# Altium PCB PCB1.PcbDoc
Units mil, origin at the board's own origin, x right, y up, seen from the top; angles counter-clockwise.
Board outline 3108.8 x 2122.15 mil, 2 copper layers (Top Layer, Bottom Layer); 69 components, 68 nets, 332 pads, 63 vias.
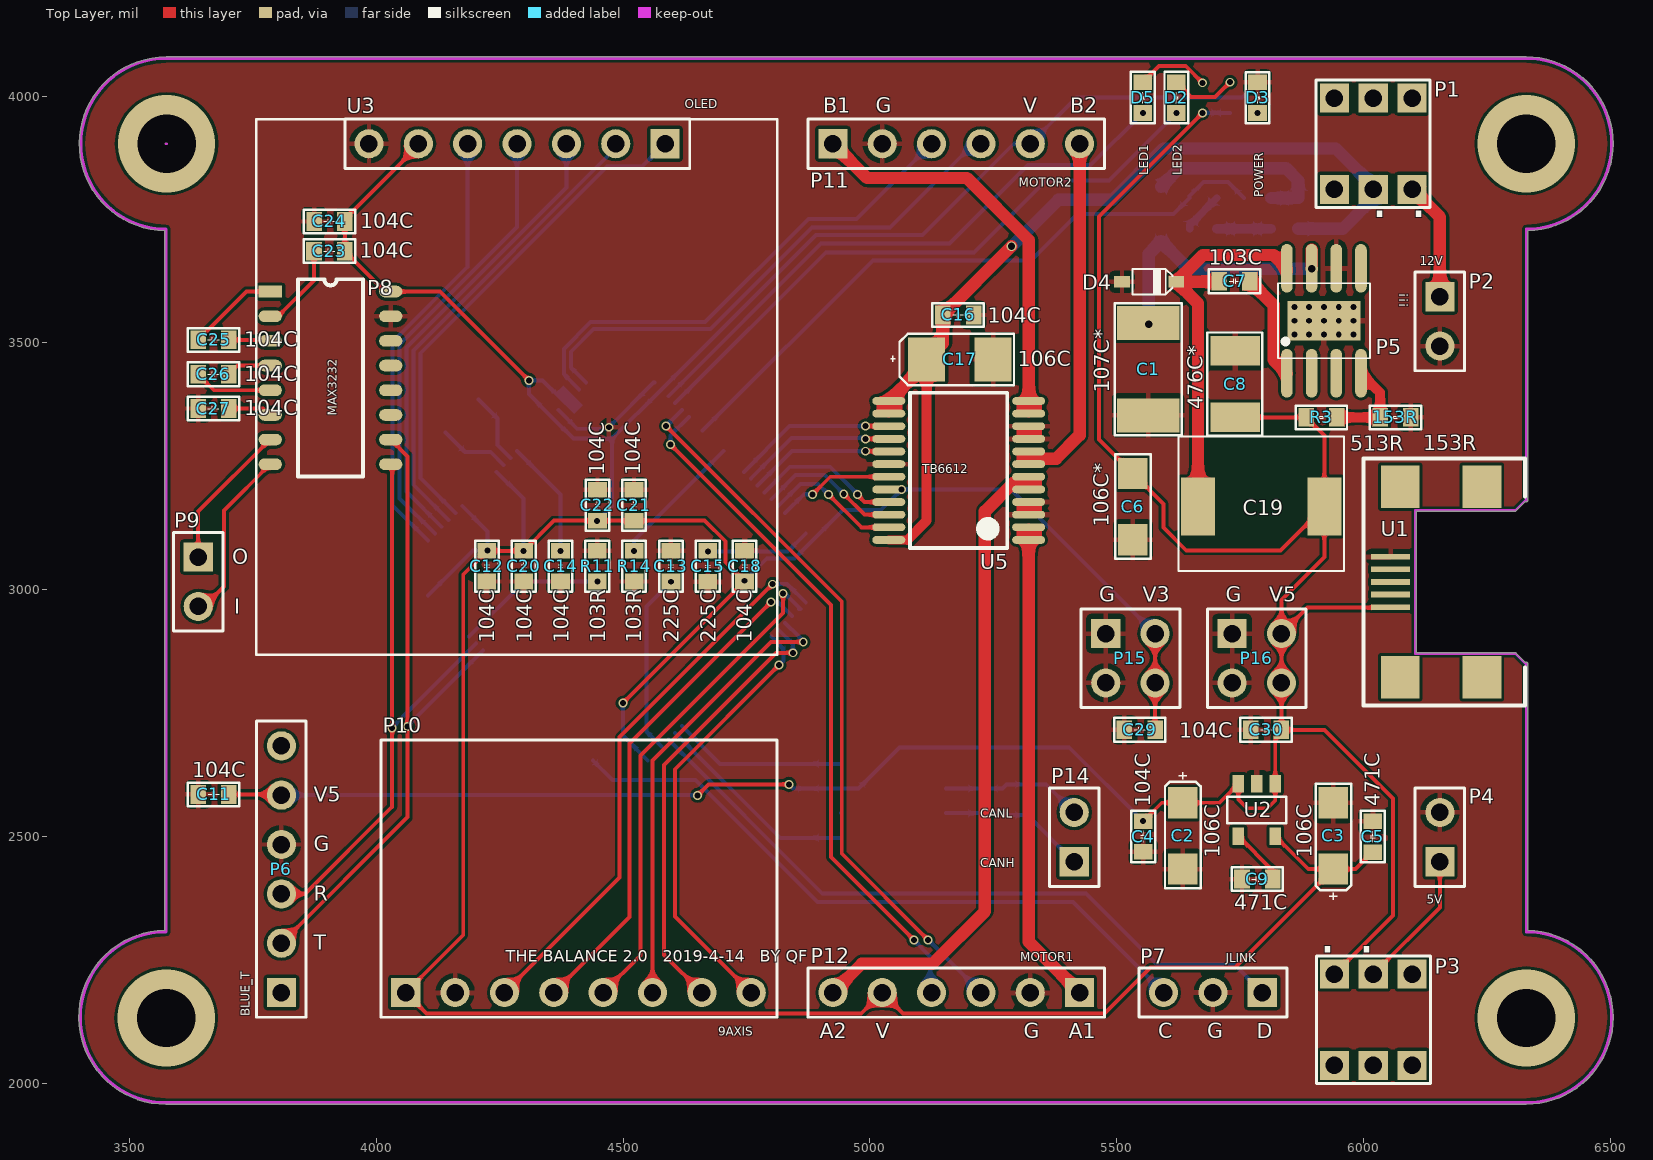
[diagram p0: Top Layer view]
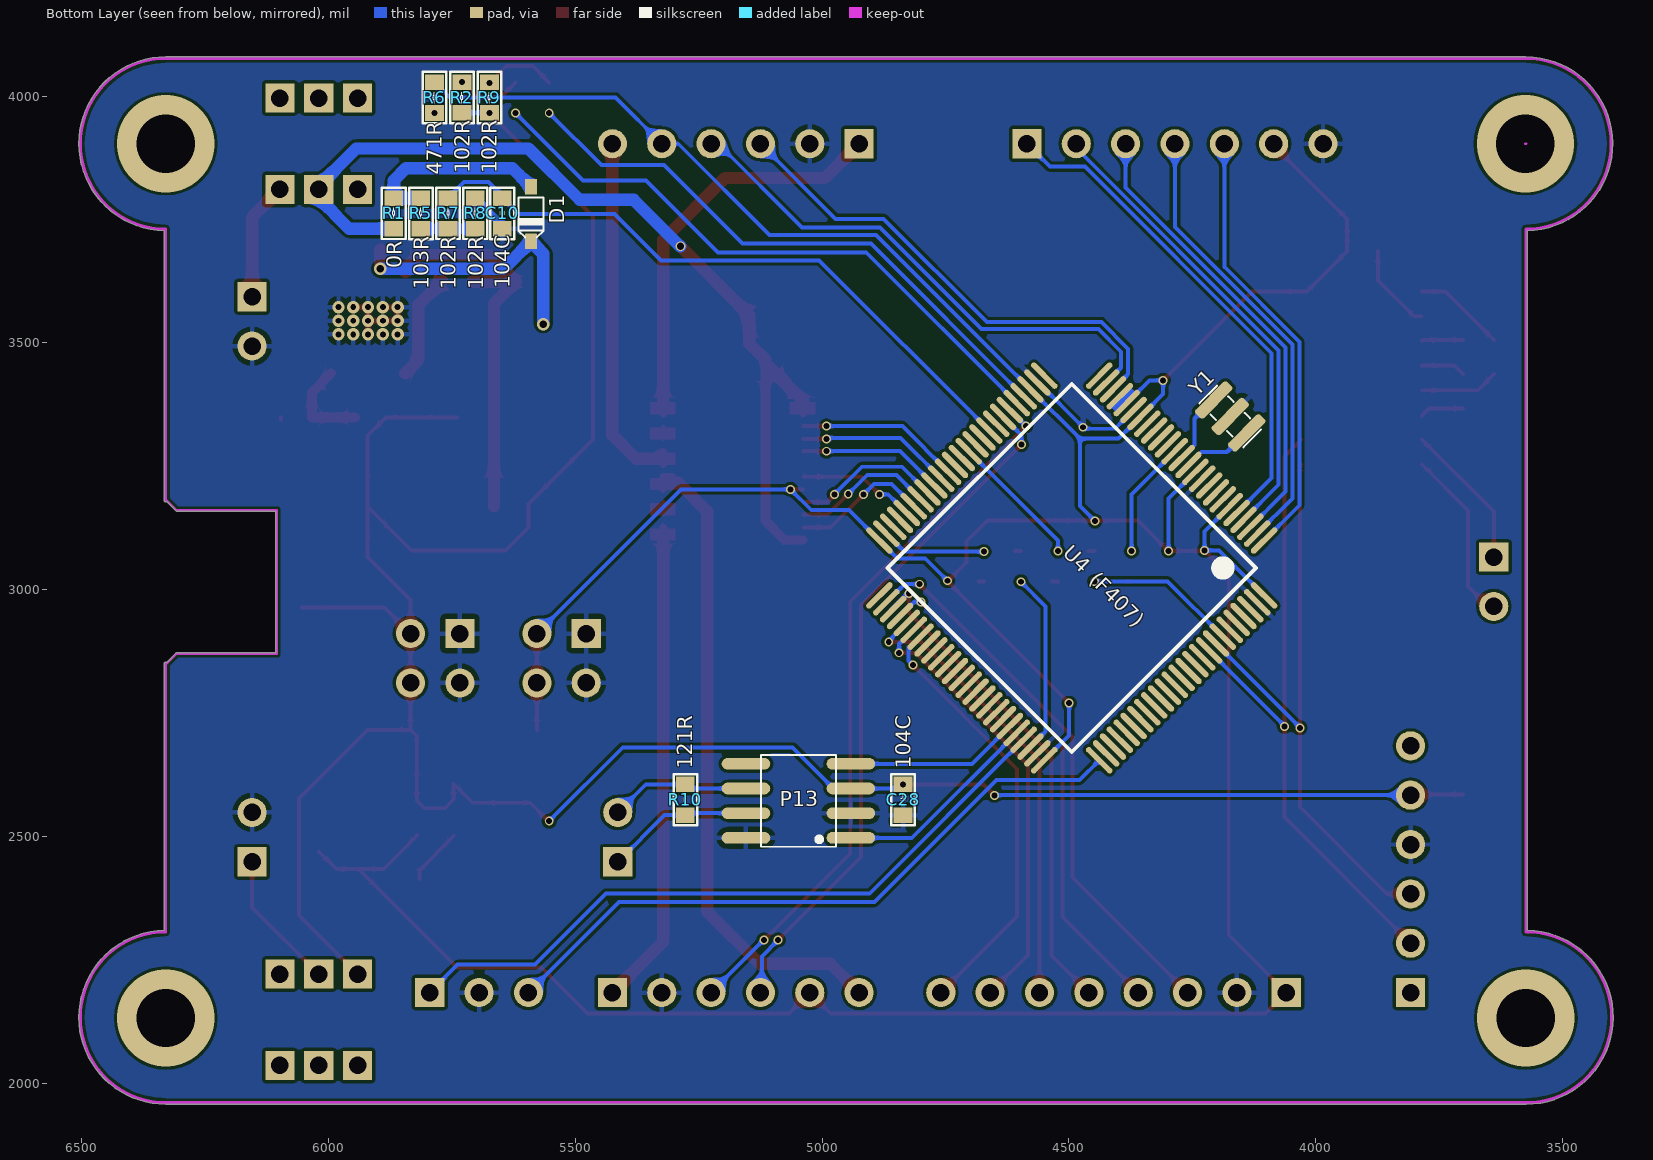
[diagram p1: Bottom Layer view, seen from below]

## Layer stack, top to bottom
Top Solder: solder mask 0.4, Solder Resist, Dk 3.5
Top Layer: signal copper 1.4
Dielectric 1: dielectric 12.6, FR-4, Dk 4.8
Bottom Layer: signal copper 1.4
Bottom Solder: solder mask 0.4, Solder Resist, Dk 3.5

## Board outline
3573.19,1957.35 cw(c3573.19,2133.35) 3571.08,2309.33 3571.08,3727.53 cw(c3574.09,3903.5) 3574.09,4079.5 6330,4079.5 cw(c6330,3903.5) 6506,3903.5 cw(c6330,3903.5) 6333.02,3727.53 6333.02,3180.94 cw(c6330,3180.94) 6328.14,3178.57 6309.43,3159.86 6309.44,3159.87 cw(c6308.02,3161.26) 6308.02,3159.28 6106.94,3159.28 6106.94,2871.9 6308.02,2871.9 cw(c6308.02,2869.92) 6309.44,2871.31 6309.43,2871.32 6328.14,2852.61 cw(c6330,2850.24) 6333.02,2850.24 6333.02,2309.32 cw(c6330,2133.35) 6506,2133.35 cw(c6330,2133.35) 6330,1957.35 cw(c6330,1960.37) 6329.55,1957.38 cw(c6329.09,1960.37) 6329.09,1957.35

## Design rules (kind name [scope] priority, off if disabled: settings)
Clearance [All] p1: gap=6 ignorepadtopadclearanceinfootprint=FALSE
HoleSize [All] p1: absolutevalues=TRUE maxlimit=200 minlimit=1 maxpercent=80.000 minpercent=20.000
MinimumSolderMaskSliver [All] p1: minsoldermaskwidth=0
PolygonConnect [All] p1: connectstyle=Relief reliefconductorwidth=10 reliefentries=4 polygonreliefangle="90 Angle" airgapwidth=10
RoutingVias [All] p1: holewidth=12 width=18 viastyle="Through Hole" minholewidth=10 minwidth=18 maxholewidth=28 maxwidth=50
SilkToSilkClearance [All] p1: silktosilkclearance=0
SilkToSolderMaskClearance [IsPad] p1: minsilkscreentomaskgap=0 clearancetoexposedcopper=TRUE
SolderMaskExpansion [All] p1: expansion=4
Width [All] p1: maxlimit=30 minlimit=6 preferedwidth=8
26 further rules are at their usual default settings.

## Components (designator, comment, footprint, x,y, rotation, side; value= is the part's Value field where it differs from the comment)
153R "Res" "Res 0603" 6096,3349 r180 top value=15K (schematic designator R4)
C1 "Cap Semi" "Cap 1812" 5564,3353 r90 top value=107/35V
C2 "Cap-AVX" "AVX A-CASE 1206" 5634,2568.15 r270 top value=106
C3 "Cap-AVX" "AVX A-CASE 1206" 5939,2433.5 r90 top value=106
C4 "Cap Semi" "Cap 0603" 5554,2468.5 r90 top value=104
C5 "Cap Semi" "Cap 0603" 6019,2530.5 r270 top value=471
C6 "Cap Semi" "CAP 1206" 5533,3101 r90 top value=10uF/16V
C7 "Cap Semi" "Cap 0603" 5707.8,3625 r0 top value=103/50V
C8 "Cap Semi" "Cap 1210" 5740,3349 r90 top value=47uF/16V
C9 "Cap Semi" "Cap 0603" 5754,2413.5 r0 top value=471
C10 "Cap Semi" "Cap 0603" 5648,3731.3 r90 bottom value=104/50v
C11 "Cap Semi" "Cap 0603" 3639,2585 r0 top value=104
C12 "Cap Semi" "Cap 0603" 4224,3016.5 r90 top value=104
C13 "Cap Semi" "Cap 0603" 4596.86,3016.5 r90 top value=225
C14 "Cap Semi" "Cap 0603" 4373.14,3016.5 r90 top value=104
C15 "Cap Semi" "Cap 0603" 4671.43,3078.5 r270 top value=225
C16 "Cap Semi" "Cap 0603" 5147.8,3556.5 r0 top value=104
C17 "Cap-AVX" "AVX B-CASE 3528" 5115,3466.5 r0 top value=106
C18 "Cap Semi" "Cap 0603" 4746,3016.5 r90 top value=104
C19 "CD54" "CD54 7*7" 5665,3168.5 r0 top value=22uH/2A
C20 "Cap Semi" "Cap 0603" 4298.57,3016.5 r90 top value=104
C21 "Cap Semi" "Cap 0603" 4522,3202 r270 top value=104
C22 "Cap Semi" "Cap 0603" 4448,3202 r270 top value=104
C23 "Cap Semi" "Cap 0603" 3935.8,3686 r180 top value=104
C24 "Cap Semi" "Cap 0603" 3873.8,3746 r0 top value=104
C25 "Cap Semi" "Cap 0603" 3701.2,3506 r180 top value=104
C26 "Cap Semi" "Cap 0603" 3701,3436.5 r180 top value=104
C27 "Cap Semi" "Cap 0603" 3701,3367 r180 top value=104
C28 "Cap Semi" "Cap 0603" 4836,2605.2 r270 bottom value=104
C29 "Cap Semi" "Cap 0603" 5515.8,2716 r0 top value=104
C30 "Cap Semi" "Cap 0603" 5771.8,2716 r0 top value=104
D1 "IN5819" SOD-323 5590,3761 r270 bottom
D2 "LED" "led 0603 B" 5621,4028 r270 top
D3 "LED" "led 0603 B" 5785.5,3965.8 r90 top
D4 "IN5819" SOD-323 5566,3624 r0 top
D5 "LED" "led 0603 B" 5553,4028 r270 top
P1 "SWITCH" SWITCH(S) 6020,3903.5 r90 top
P2 "1×2P" 1×2P 6155,3593.5 r0 top
P3 "SWITCH" SWITCH(S) 6020,2128.5 r270 top
P4 "1×2P" 1×2P 6155,2448.5 r180 top
P5 "TPS5430" TPS5430 5920,3544.8 r90 top
P6 "BLUE_TOOTH" 1×6P 3807.5,2183.5 r180 top
P7 "Jlink" 1×3P 5795,2183.5 r270 top
P8 "MAX3232" SOP-16 3785,3604 r0 top
P9 "1×2P" 1×2P 3639,3066 r0 top
P10 "1×8P" 1×8P_SG 4059.5,2183.5 r90 top
P11 "1×6P" 1×6P 4925,3903.5 r90 top
P12 "1×6P" 1×6P 5425,2183.5 r270 top
P13 "CAN" SOP8 5048,2572 r0 bottom
P14 "1×2P" 1×2P 5414,2448.5 r180 top
P15 "2×2P" 2×2P 5478,2911 r0 top
P16 "2×2P" 2×2P 5734,2911 r0 top
R1 "Res" "Res 0603" 5868,3793.5 r270 bottom value=0R
R2 "Res" "Res 0603" 5729.75,3966 r90 bottom value=102
R3 "Res" "Res 0603" 5883.8,3349 r0 top value=51K
R5 "Res" "Res 0603" 5813,3731.3 r90 bottom value=103
R6 "Res" "Res 0603" 5785.5,4028 r270 bottom value=471
R7 "Res" "Res 0603" 5758,3793.5 r270 bottom value=102
R8 "Res" "Res 0603" 5703,3793.5 r270 bottom value=102
R9 "Res" "Res 0603" 5674,3966 r90 bottom value=102
R10 "Res" "Res 0603" 5277,2605.2 r270 bottom value=121
R11 "Res" "Res 0603" 4447.71,3016.5 r90 top value=103
R14 "Res" "Res 0603" 4522.29,3016.5 r90 top value=103
U1 "Micro_USB_A" Micro_USB_A 6058.9,2964.41 r270 top
U2 "MIC5219-3.3" MIC5219-3.3 5784,2553.5 r180 top
U3 "OLED" "OLED(0.96) IIC" 4585,3903.5 r0 top
U4 "STM32F103VE/407VE_100" LQFP100 4494.18,3043.91 r315 bottom
U5 "TB6612FNG" SSOP-24N 5180,3241.5 r180 top
Y1 "XTAL-3" "XTAL 3.2x1.3" 4173,3351 r45 bottom value=8M

## Footprints (in the part's own frame and the unit in brackets; to place one, negate y for a bottom-side part, rotate by r counter-clockwise, add the part's x,y. Pads: shape width x height; smd on the part's side, far side on the other; paste and mask are expansions set on the pad)
1×2P [mm]
  rect 1.5x1.5 hole 0.9: 1(0,0)
  round 1.5 hole 0.9: 2(0,-2.54)
  silkscreen extent -1.27,-3.81 1.27,1.27, body extent -1.27,-3.81 1.27,1.27, height 7.11
1×3P [mm]
  rect 1.5x1.5 hole 0.9: 1(0,0)
  round 1.5 hole 0.9: 2(0,-2.54) 3(0,-5.08)
  silkscreen extent -1.27,-6.35 1.25,1.27, body extent -1.27,-6.35 1.27,1.27, height 8.54
1×6P [mm]
  rect 1.5x1.5 hole 0.9: 1(0,0)
  round 1.5 hole 0.9: 2(0,-2.54) 3(0,-5.08) 4(0,-7.62) 5(0,-10.16) 6(0,-12.7)
  silkscreen extent -1.27,-13.97 1.27,1.27, body extent -1.27,-13.97 1.27,1.27, height 8.54
1×8P_SG [mm]
  rect 1.5x1.5 hole 0.9: 1(0,0)
  round 1.5 hole 0.9: 2(0,-2.54) 3(0,-5.08) 4(0,-7.62) 5(0,-10.16) 6(0,-12.7) 7(0,-15.24) 8(0,-17.78)
  silkscreen extent -1.27,-19.1 13,1.27, body extent -1.25,-19.05 1.25,1.27, height 8.4
2×2P [mm]
  rect 1.5x1.5 hole 0.9: 1(0,0)
  round 1.5 hole 0.9: 2(0,-2.54) 3(2.54,-2.54) 4(2.54,0)
  silkscreen extent -1.27,-3.81 3.81,1.27, body extent -1.27,-3.81 3.73,1.27, height 8.4
"AVX A-CASE 1206" [mm]
  rect 1.6x1.52 smd: 1(0,0) 2(3.42,0)
  silkscreen extent -1.57,-0.91 4.39,0.91, body extent 0,-0.84 3.4,0.84, height 1.71
"AVX B-CASE 3528" [mm]
  rect 1.9x2.28 smd: 1(0,0) 2(3.42,0)
  silkscreen extent -1.84,-1.32 4.5,1.32, body extent -0.15,-1.46 3.55,1.47, height 2.03
"Cap 0603" [mm]
  rect 0.8x0.96 smd: 1(0,0) 2(1.58,0)
  silkscreen extent -0.53,-0.61 2.11,0.61, body extent -0.01,-0.4 1.59,0.4, height 0.9
"CAP 1206" [mm]
  rect 1.6x1.52 smd: 1(0,0) 2(3.42,0)
  silkscreen extent -0.97,-0.91 4.39,0.91, body extent 0.1,-0.85 3.3,0.85, height 1.72
"Cap 1210" [mm]
  rect 1.52x2.54 smd: 1(0,0) 2(3.42,0)
  silkscreen extent -0.94,-1.4 4.37,1.42, body extent 0.1,-1.25 3.3,1.25, height 1.3
"Cap 1812" [mm]
  rect 1.75x3.2 smd: 1(0,0) 2(4.75,0)
  silkscreen extent -1.02,-1.73 5.77,1.73, body extent 0.09,-1.6 4.69,1.6, height 2.6
"CD54 7*7" [mm]
  rect 1.75x3 smd: 1(0,0) 2(6.5,0)
  silkscreen extent -1.02,-3.33 7.52,3.61, body extent 0.29,-2.61 6.21,2.59, height 4.5
"led 0603 B" [mm]
  rect 0.8x0.96 smd: 1(0,0) 2(1.58,0)
  silkscreen extent -0.53,-0.61 2.11,0.61, body extent -0.01,-0.4 1.59,0.4, height 0.6
LQFP100 [mm] "Thin QFP, 100-Leads, Body 14x14mm, Pitch 0.5mm, IPC Low Density"
  oval 1.8x0.3 smd: 1(-8,6) 2(-8,5.5) 3(-8,5) 4(-8,4.5) 5(-8,4) 6(-8,3.5) 7(-8,3) 8(-8,2.5) 9(-8,2) 10(-8,1.5) 11(-8,1) 12(-8,0.5) 13(-8,0) 14(-8,-0.5) 15(-8,-1) 16(-8,-1.5) 17(-8,-2) 18(-8,-2.5) 19(-8,-3) 20(-8,-3.5) 21(-8,-4) 22(-8,-4.5) 23(-8,-5) 24(-8,-5.5) 25(-8,-6) 51(8,-6) 52(8,-5.5) 53(8,-5) 54(8,-4.5) 55(8,-4) 56(8,-3.5) 57(8,-3) 58(8,-2.5) 59(8,-2) 60(8,-1.5) 61(8,-1) 62(8,-0.5) 63(8,0) 64(8,0.5) 65(8,1) 66(8,1.5) 67(8,2) 68(8,2.5) 69(8,3) 70(8,3.5) 71(8,4) 72(8,4.5) 73(8,5) 74(8,5.5) 75(8,6)
  oval 0.3x1.8 smd: 26(-6,-8) 27(-5.5,-8) 28(-5,-8) 29(-4.5,-8) 30(-4,-8) 31(-3.5,-8) 32(-3,-8) 33(-2.5,-8) 34(-2,-8) 35(-1.5,-8) 36(-1,-8) 37(-0.5,-8) 38(0,-8) 39(0.5,-8) 40(1,-8) 41(1.5,-8) 42(2,-8) 43(2.5,-8) 44(3,-8) 45(3.5,-8) 46(4,-8) 47(4.5,-8) 48(5,-8) 49(5.5,-8) 50(6,-8) 76(6,8) 77(5.5,8) 78(5,8) 79(4.5,8) 80(4,8) 81(3.5,8) 82(3,8) 83(2.5,8) 84(2,8) 85(1.5,8) 86(1,8) 87(0.5,8) 88(0,8) 89(-0.5,8) 90(-1,8) 91(-1.5,8) 92(-2,8) 93(-2.5,8) 94(-3,8) 95(-3.5,8) 96(-4,8) 97(-4.5,8) 98(-5,8) 99(-5.5,8) 100(-6,8)
  silkscreen extent -6.7,-6.7 6.7,6.7, body extent -8.07,-8.07 8.07,8.07, height 1.62
MIC5219-3.3 [mm] "SOT23, 5-Leads"
  rect 0.6x0.9 smd: 1(-0.95,-1.35) 2(0,-1.35) 3(0.95,-1.35) 4(0.95,1.35) 5(-0.95,1.35)
  silkscreen extent -1.52,-0.69 1.52,0.69, body extent -1.5,-1.25 1.5,1.25, height 1.1
Micro_USB_A [mm]
  rect 0.3x2 smd: 1(0,-0.1) 2(-0.65,-0.1) 3(-1.3,-0.1) 4(-1.95,-0.1) 5(-2.6,-0.1)
  rect 2.2x2 smd: #1(3.6,4.6) #2(3.6,0.4) #3(-6.2,0.4) #4(-6.2,4.6)
  Keep-Out Layer lines w0.1: 2.9,6.828 2.4,6.328 2.4,1.17 -5,1.17 -5,6.328 -5.5,6.828
  silkscreen extent -7.65,-1.5 5.05,6.82
"OLED(0.96) IIC" [mm]
  rect 1.5x1.5 hole 0.9: 1(0,0)
  round 1.5 hole 0.9: 2(-2.54,0) 3(-5.08,0) 4(-7.62,0) 5(-10.16,0) 6(-12.7,0) 7(-15.24,0)
  silkscreen extent -21.03,-26.3 5.77,1.27, body extent -20.94,-26.34 5.76,1.52, height 11.47
"Res 0603" [mm]
  rect 0.8x0.96 smd: 1(0,0) 2(1.58,0)
  silkscreen extent -0.53,-0.61 2.11,0.61, body extent 0.01,-0.42 1.56,0.43, height 0.45
SOD-323 [mm]
  rect 0.8x0.6 smd: 1(-1.4,0) 2(1.4,0)
  silkscreen extent -0.85,-0.65 1.2,0.65, body extent -1.26,-0.61 1.24,0.64, height 0.7
SOP8 [mm] "SOP8"
  oval 2.5x0.6 smd: 1(-2.7,1.905) 2(-2.7,0.635) 3(-2.7,-0.635) 4(-2.7,-1.905) 5(2.7,-1.905) 6(2.7,-0.635) 7(2.7,0.635) 8(2.7,1.905)
  silkscreen extent -1.93,-2.36 1.93,2.36, body extent -3.02,-2.41 2.97,2.41, height 1.7
SOP-16 [mm]
  rect 1.2x0.6 smd: 1(0,0)
  oval 1.2x0.6 smd: 2(0,-1.27) 3(0,-2.54) 4(0,-3.81) 5(0,-5.08) 6(0,-6.35) 7(0,-7.62) 8(0,-8.89) 9(6.2,-8.89) 10(6.2,-7.62) 11(6.2,-6.35) 12(6.2,-5.08) 13(6.2,-3.81) 14(6.2,-2.54) 15(6.2,-1.27) 16(6.2,0)
  silkscreen extent 1.43,-9.53 4.77,0.64, body extent 0.05,-9.47 6.05,0.53, height 1.75
SSOP-24N [mm]
  oval 1.7x0.4 smd: 1(-3.6,3.575) 2(-3.6,2.925) 3(-3.6,2.275) 4(-3.6,1.625) 5(-3.6,0.975) 6(-3.6,0.325) 7(-3.6,-0.325) 8(-3.6,-0.975) 9(-3.6,-1.625) 10(-3.6,-2.275) 11(-3.6,-2.925) 12(-3.6,-3.575) 13(3.6,-3.575) 14(3.6,-2.925) 15(3.6,-2.275) 16(3.6,-1.625) 17(3.6,-0.975) 18(3.6,-0.325) 19(3.6,0.325) 20(3.6,0.975) 21(3.6,1.625) 22(3.6,2.275) 23(3.6,2.925) 24(3.6,3.575)
  silkscreen extent -2.5,-4 2.5,4, body extent -3.8,-4 3.8,4, height 1.6
SWITCH(S) [mm]
  rect 1.5x1.5 hole 0.9: 1(2.349,2) 2(-2.349,2) 3(2.349,0) 4(-2.349,0) 5(2.349,-2) 6(-2.349,-2)
  silkscreen extent -3.28,-2.92 3.28,2.95, body extent -2.9,-2.93 2.9,2.87, height 10
TPS5430 [mm] "SOP8"
  oval 2.5x0.6 smd: 1(-2.7,1.905) 2(-2.7,0.635) 3(-2.7,-0.635) 4(-2.7,-1.905) 5(2.7,-1.905) 6(2.7,-0.635) 7(2.7,0.635) 8(2.7,1.905)
  rect 2.05x3.75 smd: 9(0,0)
  silkscreen extent -1.93,-2.36 1.93,2.36, body extent -3.02,-2.41 2.97,2.41, height 1.7
"XTAL 3.2x1.3" [mm]
  rrect50% 0.6x2.3 smd: 1(-1.2,0) 2(0,0) 3(1.2,0)
  silkscreen extent -1.6,-0.65 1.6,0.65, body extent -1.6,-0.65 1.6,0.65, height 0.7

## Part data
C1 C4 C5 C6 C7 C8 C9 C10 C11 C12 C13 C14 C15 C16 C18 C20 C21 C22 C23 C24 C25 C26 C27 C28 C29 C30: library part Cap
P7: library part 1×3P

## Via types
v1: diameter 18, hole 12, Top Layer to Bottom Layer, 41 vias
v2: diameter 25, hole 12, Top Layer to Bottom Layer, 15 vias
v3: diameter 196.85, hole 118.11, Top Layer to Bottom Layer, 4 vias
v4: diameter 25, hole 15, Top Layer to Bottom Layer, 2 vias
v5: diameter 20, hole 15, Top Layer to Bottom Layer, 1 vias

## Nets (pads, with @x,y where several pads share a name; then routed paths per layer and width w, separated by ;. In a path a pad name is that pad's centre, name@x,y a point inside that pad or via, vN(x,y) a via of type N, cw(c..) or ccw(c..) an arc to the next point about the centre after c; other vN are vias at no path point)
12V: C16.1 C17.1 P1.4 R1.2 U5.13 U5.14 U5.24 | length 1897.1
  Top Layer w15: U5.14 U5.13
  Top Layer w18: U5.24 5075.75,3100.76 5076,3100.5
  Top Layer w20: 5076,3100.5 5115,3139.5 C17.1@5115,3458.98
  Top Layer w25: U5.13 C17.1@5115,3458.98 ; C17.1 5147.8,3499.3 C16.1 v5(5287,3695.71) ; P1.4@6020,3804.53 P1.4
  Bottom Layer w25: v5(5287,3695.71) 5287.71,3695.71 5382,3790 5491,3790 5595,3894 5944,3894 P1.4@6021,3817 ; R1.2 5958.3,3731.3 6020,3793 P1.4
A01: P12.1 U5.1 U5.2 | length 985.6
  Top Layer w15: U5.1 U5.2
  Top Layer w25: U5.1 5321.73,2286.77 P12.1
A02: P12.6 U5.5 U5.6 | length 1331.3
  Top Layer w15: U5.6@5303.2,3228.71 U5.6 ; U5.5 5321.73,3216.5
  Top Layer w25: P12.6 4983.5,2242 5127,2242 5233,2348 5233,3158.5 5291,3216.5 5321.73,3216.5
AIN1: U4.42 U5.17 | length 294.8
  Top Layer w8: v1(4991,3280.5) 5037.65,3280.5 U5.17
  Bottom Layer w8: U4.42 4842.13,3280.5 v1(4991,3280.5)
AIN2: U4.41 U5.16 | length 314.7
  Top Layer w8: v1(4991,3305.5) U5.16@5038.24,3305.5
  Bottom Layer w8: U4.41 4841.29,3307.5 4989,3307.5 v1(4991,3305.5)
B01: P11.1 U5.11 U5.12 | length 843.4
  Top Layer w15: U5.11 U5.12
  Top Layer w25: P11.1 4994.5,3834 5196.5,3834 5322,3708.5 5322,3368.5
B02: P11.6 U5.7 U5.8 | length 733.9
  Top Layer w15: U5.7 U5.8
  Top Layer w25: 5329.33,3271.5 5335.33,3265.5 5377.5,3265.5 5425,3313 P11.6
BIN1: U4.43 U5.21 | length 307.1
  Top Layer w8: v1@4974,3195.87 4975,3194.87 v1(4975,3193) 4975,3191.93 4989.41,3177.53 U5.21
  Bottom Layer w8: U4.43 4838.46,3249 4919.5,3249 4975,3193.5 v1(4975,3193)
BIN2: U4.44 U5.22 | length 295.5
  Top Layer w8: v1@4946.63,3195 4947,3195.37 v1(4947,3194) 4989.06,3151.94 U5.22 U5.22@5037.83,3151.5
  Bottom Layer w8: U4.44 4849.3,3232 4908.5,3232 4946,3194.5 4947,3195.5 v1(4947,3194)
CAN1_RX: P13.4 U4.70 | length 354
  Bottom Layer w8: U4.70 4696.21,2647 P13.4
CAN1_TX: P13.1 U4.71 | length 424.3
  Bottom Layer w8: U4.71 4818.37,2497 P13.1
CANH: P13.7 P14.1 R10.2 | length 300.5
  Bottom Layer w8: P13.7 5273,2547 R10.2 5319.5,2543 P14.1
CANL: P13.6 P14.2 R10.1 | length 286.6
  Bottom Layer w8: P13.6 5268.8,2597 R10.1 5357.3,2605.2 P14.2
GND: 153R.1 C1.1 C2.2 C3.2 C4.1 C5.1 C6.1 C8.2 C9.1 C10.1 C11.1 C12.1 C13.2 C14.1 C15.2 C16.2 C17.2 C18.2 C20.1 C21.1 C22.1 C24.1 C27.2 C28.2 C29.1 C30.1 D3.2 D4.1 P2.2 P4.2 P5.6 P5.9 P6.4 P7.2 P8.15 P10.2 P11.2 P12.2 P13.2 P13.8 P15.1 P15.2 P16.1 P16.2 R8.1 R11.2 R14.1 U1.5 U2.2 U3.7 U4.10 U4.20 U4.27 U4.74 U4.99 U5.3 U5.4 U5.9 U5.10 U5.18 Y1.2 | length 655.6
  Top Layer w8: C14.1 C14.1@4385.51,3016.5 ; R11.2 R11.2@4460.08,3078.71 ; R14.1@4523,3015 4522.29,3015.71 R14.1 R14.1@4534.65,3016.5 ; C13.2 C13.2@4609.02,3078.71 ; C15.2 C15.2@4683.59,3016.3 ; U5.3 U5.4 ; U5.9 U5.10 ; v2(5890,3572.3) v2(5860,3572.3) v2(5860,3544.8) v2(5890,3544.8) v2(5920,3544.8) ; v2(5920,3517.3) v2(5920,3544.8) ; v2(5950,3572.3) v2(5920,3572.3) v2(5920,3544.8) ; 153R.1@6096,3345 153R.1
  Bottom Layer w8: U4.20 4406.95,3326 4468,3326 v1(4471,3329) 4561.73,3419.73 U4.27 ; P13.2 P13.2@4942,2547
  Bottom Layer w15: C10.1 5648,3738.5 R8.1
  other v2: 5860,3517.3 5890,3517.3 5950,3517.3 5980,3517.3 5950,3544.8 5980,3544.8 5980,3572.3
LED1: D5.2 U4.29 | length 1199.1
  Bottom Layer w8: U4.29 4900.72,3701 5161,3701 5320,3860 5447.2,3860 v1(5553,3965.8)
LED2: D2.2 U4.30 | length 1259
  Bottom Layer w8: U4.30 4910.56,3683 5211,3683 5357,3829 5484.2,3829 v1(5621,3965.8)
NetC7_1: C7.1 C19.1 D4.2 P5.8 | length 825.1
  Top Layer w25: C19.1 5665,3580.12 D4.2 ; C7.1 5706.8,3624 D4.2 ; P5.8@5845,3644.19 P5.8 5818.1,3678 5675.12,3678 D4.2
NetC7_2: C7.2 P5.1 | length 217.6
  Top Layer w25: C7.2 5818,3577 5818,3465.5 P5.1
NetC9_2: C9.2 U2.4 | length 115.7
  Top Layer w8: U2.4 5816.2,2430.75 C9.2
NetC13_1: C13.1 U4.73 | length 367.4
  Bottom Layer w8: U4.73 4547,2712.69 4547,2966 v1(4597,3016)
NetC14_2: C14.2 U4.14 | length 239.6
  Top Layer w8: v1(4373,3078) 4373.14,3078.14 C14.2
  Bottom Layer w8: U4.14 4373,3192.92 v1(4373,3078)
NetC15_1: C15.1 U4.49 | length 213.1
  Bottom Layer w8: v1(4672,3077) 4833.5,3077 U4.49
NetC23_2: C23.2 P8.2 | length 178.1
  Top Layer w8: P8.2 3801,3554 3873.59,3626.59 C23.2
NetC25_1: C25.1 P8.3 | length 84.6
  Top Layer w8: C25.1 3783,3506 P8.3
NetC25_2: C25.2 P8.1 | length 186.6
  Top Layer w8: C25.2 3737,3604 P8.1
NetC26_1: C26.1 P8.4 | length 91.2
  Top Layer w8: C26.1 3718.5,3454 P8.4
NetC26_2: C26.2 P8.5 | length 159.7
  Top Layer w8: C26.2 3671.3,3404 P8.5
NetC27_1: C27.1 P8.6 | length 88.9
  Top Layer w8: C27.1 3770.41,3367 P8.6@3784.2,3353.2
NetD1_1: D1.1 R1.1 R5.2 | length 394.5
  Bottom Layer w25: D1.1 5627.88,3854 5843,3854 5868,3829 R1.1 R5.2
NetD2_1: D2.1 R2.2 | length 133.7
  Top Layer w8: D2.1 5651,3998 5699.55,3998 v1(5729.75,4028.2)
NetD3_1: D3.1 R6.2
  other v1: 5785.5,3965.8
NetD5_1: D5.1 R9.2 | length 148.8
  Top Layer w8: D5.1 5586,4061 5640,4061 v1(5674,4027)
NetP1_6: P1.6 P2.1 | length 256.6
  Top Layer w25: P1.6 6155,3754.74 P2.1
  Bottom Layer w25: P1.6 P1.6@6098.74,3826.76
NetP3_4: P3.4 P4.1 | length 283.4
  Top Layer w8: P3.4 6155,2356 P4.1
NetP5_4: 153R.2 P5.4 R3.2 | length 193.4
  Top Layer w20: R3.2 153R.2 6033.8,3399.71 P5.4
NetP7_1: P7.1 U4.72 | length 1415.6
  Bottom Layer w8: U4.72 4903.53,2384 5438,2384 5582,2240 5738.5,2240 P7.1
NetP7_3: P7.3 U4.76 | length 1351.5
  Bottom Layer w8: U4.76 4478.66,2614 4647,2614 4894,2367 5411.5,2367 P7.3
NetP8_7: P8.7 P9.1 | length 298.5
  Top Layer w8: P9.1 3639,3158 P8.7
NetP8_8: P8.8 P9.2 | length 355.5
  Top Layer w8: P9.2 3651,2966 3691,3006 3691,3160 P8.8
NetR5_1: R5.1 R7.2 R8.2 | length 110
  Bottom Layer w20: R8.2 R7.2 R5.1
NetR11_1: R11.1 U4.94 | length 306.1
  Bottom Layer w8: U4.94 4299.74,3016.5 v1(4447.71,3016.5)
NetR14_2: R14.2 U4.37 | length 278.3
  Top Layer w6: v1(4522,3078) 4522,3078.42 R14.2
  Bottom Layer w8: v1(4522,3078) 4522,3099.57 U4.37
NetU4_12: U4.12 Y1.1 | length 144.4
  Bottom Layer w8: Y1.1@4140.25,3318.25 4180,3278.5 4231.74,3278.5 U4.12
NetU4_13: U4.13 Y1.3 | length 145.1
  Bottom Layer w8: Y1.3@4207.07,3385.07 4245,3347.13 4245,3293.08 U4.13
OLED_CS: U3.1 U4.5 | length 1025
  Bottom Layer w8: U4.5 4089,3226.37 4089,3479 4467,3857 4538.5,3857 U3.1
OLED_D0: U3.5 U4.1 | length 896.5
  Bottom Layer w8: U4.1 4033,3171.02 4033,3502.2 4185,3654.2 U3.5
OLED_D1: U3.4 U4.2 | length 918.1
  Bottom Layer w8: U4.2 4047,3184.86 4047,3496.4 4285,3734.4 U3.4
OLED_DC: U3.2 U4.4 | length 961.5
  Bottom Layer w8: U4.4 4075,3212.53 4075,3484.8 4485,3894.8 U3.2
OLED_RES: U3.3 U4.3 | length 939.8
  Bottom Layer w8: U4.3 4061,3198.69 4061,3490.6 4385,3814.6 U3.3
POWER_IN: C10.2 R7.1 U4.34 | length 1321.5
  Bottom Layer w8: U4.34 5005.91,3667 5326.5,3667 5420.5,3761 5615.5,3761 C10.2 5648,3798 5676,3826 5725.5,3826 R7.1
SPI2-CS1: P10.6 U4.55 | length 931.4
  Top Layer w8: P10.6 4559.5,2653.5 4800,2894 v1(4865,2894)
  Bottom Layer w8: U4.55 4856.11,2904.69 4866.79,2894 v1(4865,2894)
SPI2-CS2: P10.7 U4.56 | length 907.7
  Top Layer w8: P10.7 4583,2260 4583,2645 4810,2872 v1(4844,2872)
  Bottom Layer w8: U4.56 4815.37,2918.63 4844,2890 v1(4844,2872)
SPI2-CS3: P10.8 U4.57 | length 886.5
  Top Layer w8: P10.8 4605,2338 4605,2636 v1(4816,2847)
  Bottom Layer w8: U4.57 4825,2880.12 4825,2856 v1(4816,2847)
SPI2-MISO: P10.5 U4.53 | length 1011.6
  Top Layer w8: P10.5 4535,2259 4535,2664 4824,2953 v1(4824,2992)
  Bottom Layer w8: v1(4824,2992) 4827.5,2992 4830.69,2988.82 4830.87,2989 4859.48,2960.39 U4.53
SPI2-MOSI: P10.4 U4.54 | length 1027.9
  Top Layer w8: P10.4 4513,2337 4513,2688 v1(4800,2975)
  Bottom Layer w8: v1(4800,2975) 4813.63,2975 U4.54
SPI2-SCK: P10.3 U4.52 | length 1136
  Top Layer w8: P10.3 4493,2417 4493,2701 v1(4803,3011)
  Bottom Layer w8: v1(4803,3011) 4831.87,3011 4834.87,3008 4835.5,3008 4870,2973.5 U4.52
STBY: U4.46 U5.19 | length 244.4
  Top Layer w8: v1(4884,3193) 4919.71,3228.71 U5.19 U5.19@5035.47,3231.5
  Bottom Layer w8: U4.46 4865.98,3193 v1(4884,3193)
TIM1-CH1: U4.40 U5.15 | length 332.1
  Top Layer w8: v1(4991,3331.5) 5037.83,3331.5 U5.15
  Bottom Layer w8: U4.40 4837.45,3331.5 v1(4991,3331.5)
TIM1-CH4: U4.45 U5.23 | length 278.8
  Top Layer w8: v1(4916,3193) 4982.65,3126.35 U5.23
  Bottom Layer w8: U4.45 4859.14,3214 4895,3214 v1(4916,3193)
TIM2/5-CH1: P11.3 U4.23 | length 1012
  Bottom Layer w8: U4.23 4380,3436.47 4380,3488 4434,3542 4666.2,3542 4875.2,3751 4972.5,3751 P11.3
TIM2/5-CH2: P11.4 U4.24 | length 1080.5
  Bottom Layer w8: U4.24 4394,3450.31 4394,3482 4440,3528 4677,3528 4883,3734 5041,3734 5210.5,3903.5 P11.4
TIM3-CH1: P12.3 U4.31 | length 1458.6
  Top Layer w8: v1(4587,3331.6) 4943,2975.6 4943,2465 v1(5118,2290)
  Bottom Layer w8: v1(4587,3331.6) U4.31 ; v1(5118,2290) 5118.5,2290 P12.3
TIM3-CH2: P12.4 U4.32 | length 1401.2
  Top Layer w8: v1(4596,3294) 4921,2969 4921,2458 v1(5089,2290)
  Bottom Layer w8: v1(4596,3294) 4596,3312.76 U4.32 ; v1(5089,2290) 5122,2257 5122,2186.5 P12.4
U1-R: P6.3 P8.9 U4.93 | length 1236.9
  Top Layer w8: P6.3 3855.5,2383.5 4032,2560 v1(4032,2720) 4032,3247.09 4031,3248.09 4033,3250.09 P8.9
  Bottom Layer w8: v1(4032,2720) 4031.07,2720 U4.93
U1-T: P6.2 P8.10 U4.92 | length 1359.3
  Top Layer w8: P6.2 4063,2539 v1(4063,2723) 4062.72,2723.28 4062.72,3269.81 4063,3270.09 P8.10
  Bottom Layer w8: v1(4063,2723) 4061.91,2723 U4.92
V5: C2.1 C4.2 C6.2 C8.1 C11.2 C19.2 C28.1 C30.2 P3.6 P6.5 P13.3 P16.3 P16.4 R2.1 R3.1 R9.1 U1.1 U2.1 U2.3 | length 5632.7
  Top Layer w8: C11.2 3806,2585 P6.5 ; v1(4651,2583) 4673.2,2605.2 v1(4836,2605.2) ; C4.2 5591.44,2568.15 C2.1 5708.09,2568.15 U2.3 5746.6,2574.4 5764,2557 5806,2557 5821.4,2572.4 U2.1 5821.4,2703.4 C30.2 ; v1(5674,3966) 5464,3756 5464,3304.65 C6.2 5595,3173.65 5595,3125.5 5641,3079.5 5831.91,3079.5 C19.2 ; C8.1 R3.1 5920.91,3311.89 C19.2 ; P3.6 6060,2339.74 6060,2577 5921,2716 C30.2 ; U1.1@6054.06,2963.5 5886.5,2963.5 P16.4 ; C30.2 P16.3 P16.4 ; P16.4 5834,2979.09 5920.91,3066 C19.2
  Bottom Layer w8: P6.5 v1@4651,2583.5 ; v1(4836,2605.2) 4844.2,2597 P13.3 4977,2597 5060,2680 5404,2680 v1(5553,2531) ; v1(5674,3966) R2.1
VCC-IN: C1.2 D1.2 P5.7 | length 544.9
  Top Layer w25: v4(5895,3650) P5.7 P5.7@5895,3688.5
  Bottom Layer w25: v4(5565,3538) 5565,3680.88 D1.2 5645.88,3650 v4(5895,3650)
VDD: C3.1 C5.2 C12.2 C18.1 C20.2 C21.2 C22.2 C23.1 C24.2 C29.2 P8.16 P10.1 P11.5 P12.5 P15.3 P15.4 R6.1 U2.5 U3.6 U4.6 U4.11 U4.19 U4.21 U4.22 U4.28 U4.50 U4.75 U4.100 U5.20 | length 8954.1
  Top Layer w8: U3.6@4085,3900.5 4085,3900 3936,3751 C24.2 3936,3686.2 C23.1 4017.8,3604 P8.16 4129,3604 v1(4309,3424) ; C12.2 C12.2@4224.2,3078.71 ; v1(4225,3079.5) C12.2@4224.2,3078.71 ; C22.2@4447,3139.8 4359.66,3139.8 C20.2 C12.2@4224.2,3078.71 ; C22.2 C21.2 4665.2,3139.8 4707,3098 4707,3055.5 C18.1@4745.25,3017.25 ; v1(4499.5,2770) C18.1 ; U5.20 5063.88,3203.12 v1(5064,3203) ; C29.2 P15.3 P15.4 ; U2.5@5821,2503 5821.4,2502.6 U2.5 5888.25,2433.5 C3.1 ; C5.2 5984.2,2433.5 C3.1 ; C12.2@4224.2,3078.71 4176,3030.5 4176,2300 P10.1 4102,2141 4982.5,2141 P12.5 5067.5,2141 5475.5,2141 5568.5,2234 5739.5,2234 C3.1
  Bottom Layer w8: U4.100 4195.71,3079.5 v1(4225,3079.5) 4225,3118.21 U4.6 ; U4.11 4298,3184.4 v1(4298,3078.5) ; 4395.97,3377.97 U4.21 4336.79,3424 v1(4309,3424) 4309,3396.12 U4.19 4399.12,3306 4477.88,3306 ; v1(4447,3139) 4477.88,3169.88 4477.88,3306 ; v1(4499.5,2770) 4499.5,2704.52 U4.75 ; v1(4746,3018) 4791,3063 4847.34,3063 U4.50 4945.34,3161 5022,3161 v1(5064,3203) 5286,3203 P15.4 ; R6.1 5754.5,3997 5418.5,3997 P11.5 5291.5,3903.5 5107,3719 4890.88,3719 U4.28 4477.88,3306
pads on no net: P1.1 P1.2 P1.3 P1.5 P3.1 P3.2 P3.3 P3.5 P5.2 P5.3 P5.5 P6.1 P6.6 P8.11 P8.12 P8.13 P8.14 P13.5 U1.2 U1.3 U1.4 U1.#1 U1.#2 U1.#3 U1.#4 U4.7 U4.8 U4.9 U4.15 U4.16 U4.17 U4.18 U4.25 U4.26 U4.33 U4.35 U4.36 U4.38 U4.39 U4.47 U4.48 U4.51 U4.58 U4.59 U4.60 U4.61 U4.62 U4.63 U4.64 U4.65 U4.66 U4.67 U4.68 U4.69 U4.77 U4.78 U4.79 U4.80 U4.81 U4.82 U4.83 U4.84 U4.85 U4.86 U4.87 U4.88 U4.89 U4.90 U4.91 U4.95 U4.96 U4.97 U4.98
copper on no net:
  other v3: 3574.09,2131.85 6330,2131.85 3575,3903.5 6330,3903.5

## Polygon pours and split planes (outlines as drawn)
GND on Bottom Layer "GND_L02_P090" (solid, remove dead copper, pour order 90): 3246,4171 6367,4171 6667,3871 6667,2136 6378,1847 3558,1847 3257,2148
GND on Top Layer "GND_L01_P092" (solid, remove dead copper, pour order 92): 3335,4101 6397,4101 6624,3874 6624,2140 6382,1898 3523,1898 3343,2078

## Keep-outs
Keep-Out Layer:
  lines w6: 3573.19,2306.33 ccw(c3573.19,2133.35) 3573.19,1960.37 6329.09,1960.37 ; 3574.09,2306.33 3574.09,3730.52 cw(c3574.09,3903.5) 3574.09,4076.49 6330,4076.49 cw(c6330,3903.5) 6330,3730.52 6330,3180.94 ; 3574.09,3903.5 3575,3903.5 ; 6330,1960.37 ccw(c6330,2133.35) 6330,2306.33 6330,2850.24

## Other copper
Top Layer:
  region net A01: 5349.2,3099.12 5349.2,3124.12 5297.2,3124.12 5297.2,3099.12
  region net A02: 5349.2,3201.48 5349.2,3226.48 5297.2,3226.48 5297.2,3201.48
  region net GND: 5349.2,3150.3 5349.2,3175.3 5297.2,3175.3 5297.2,3150.3
  region net B02: 5349.2,3252.66 5349.2,3277.66 5297.2,3277.66 5297.2,3252.66
  region net GND: 5349.2,3303.84 5349.2,3328.84 5297.2,3328.84 5297.2,3303.84
  region net B01: 5349.2,3355.02 5349.2,3380.02 5297.2,3380.02 5297.2,3355.02
  region net 12V: 5065.73,3355.02 5065.73,3380.02 5013.73,3380.02 5013.73,3355.02
Bottom Layer:
  region net VDD: 4400.48,3355.6 4418.87,3373.99 4378.56,3414.29 4360.18,3395.91

## Silkscreen, mask and mechanical layers (free items; w line width, h text height)
Top Overlay:
  text "OLED" at 4625,3969 h30
  text "B1" at 4906,3966 h30
  text "G" at 5012,3966 h30
  text "V" at 5311,3966 h30
  text "B2" at 5406,3966 h30
  text "LED1" at 5570,3840 h30 r90
  text "LED2" at 5638,3840 h30 r90
  text "MOTOR2" at 5302,3810 h30
  text "POWER" at 5803,3795 h30 r90
  text "." at 6016.26,3755 h80
  text "." at 6095,3755 h80
  text "104C" at 3967.09,3732 h30
  text "104C" at 3966.59,3672 h30
  text "103C" at 5687,3658 h30
  text "12V" at 6114,3651 h30
  text "!!!" at 6097,3571 h30 r90
  text "104C" at 5239,3541 h30
  text "104C" at 3732,3492 h30
  text "106C" at 5300,3453 h30
  text "104C" at 3731.8,3422.5 h30
  text "107C*" at 5485,3399 h30 r90
  text "476C*" at 5674,3365 h30 r90
  text "104C" at 3731.8,3353 h30
  text "MAX3232" at 3926,3352 h30 r90
  text "153R" at 6121,3282 h30
  text "513R" at 5973,3281 h30
  text "104C" at 4462,3232 h30 r90
  text "104C" at 4535,3232 h30 r90
  text "TB6612" at 5106,3230 h30
  text "106C*" at 5484,3127 h30 r90
  text "O" at 3708,3051 h30
  text "G" at 5465,2975 h30
  text "V3" at 5553,2975 h30
  text "G" at 5721,2975 h30
  text "V5" at 5809,2975 h30
  text "I" at 3712,2951 h30
  text "104C" at 4239,2892 h30 r90
  text "104C" at 4315,2892 h30 r90
  text "104C" at 4390,2892 h30 r90
  text "103R" at 4464,2892 h30 r90
  text "103R" at 4537,2892 h30 r90
  text "225C" at 4613,2892 h30 r90
  text "225C" at 4688,2892 h30 r90
  text "104C" at 4761,2892 h30 r90
  text "104C" at 5627,2700 h30
  text "104C" at 3627,2620 h30
  text "V5" at 3873,2570 h30
  text "471C" at 6033,2561 h30 r90
  text "104C" at 5568,2560 h30 r90
  text "CANL" at 5223.36,2531.75 h30
  text "G" at 3873,2470 h30
  text "106C" at 5709,2457 h30 r90
  text "106C" at 5895,2457 h30 r90
  text "CANH" at 5223.36,2431.75 h30
  text "R" at 3873,2370 h30
  text "5V" at 6128,2357 h30
  text "471C" at 5738,2351 h30
  text "." at 5945,2277.01 h80 r180
  text "." at 6023.74,2277.01 h80 r180
  text "T" at 3873,2270 h30
  text "MOTOR1" at 5305,2241 h30
  text "JLINK" at 5721,2239 h30
  text "THE BALANCE 2.0   2019-4-14   BY QF" at 4262,2238 h40
  text "BLUE_T" at 3749,2136 h30 r90
  text "A2" at 4898,2091 h30
  text "V" at 5012,2091 h30
  text "G" at 5312,2091 h30
  text "A1" at 5403,2091 h30
  text "C" at 5584,2091 h30
  text "G" at 5684,2091 h30
  text "D" at 5784,2091 h30
  text "9AXIS" at 4693,2090 h30
Bottom Overlay:
  text "102R" at 5659,3844 h30 r270
  text "102R" at 5714,3843.57 h30 r270
  text "471R" at 5771,3841 h30 r270
  text "0R" at 5852,3651 h30 r270
  text "104C" at 5633,3610.29 h30 r270
  text "102R" at 5687,3608.58 h30 r270
  text "102R" at 5742,3608.58 h30 r270
  text "103R" at 5797,3608.58 h30 r270
  text "(F407)" at 4461,3018 h30 r45
  text "104C" at 4820,2637 h30 r270
  text "121R" at 5263,2637 h30 r270